# Altium PCB 8-8控制板.PcbDoc (part 1 of 5)
Units mm, origin at the board's own origin, x right, y up, seen from the top; angles counter-clockwise.
Board outline 201.71 x 160.33 mm, 2 copper layers (Top Layer, Bottom Layer); 240 components, 178 nets, 689 pads, 262 vias.
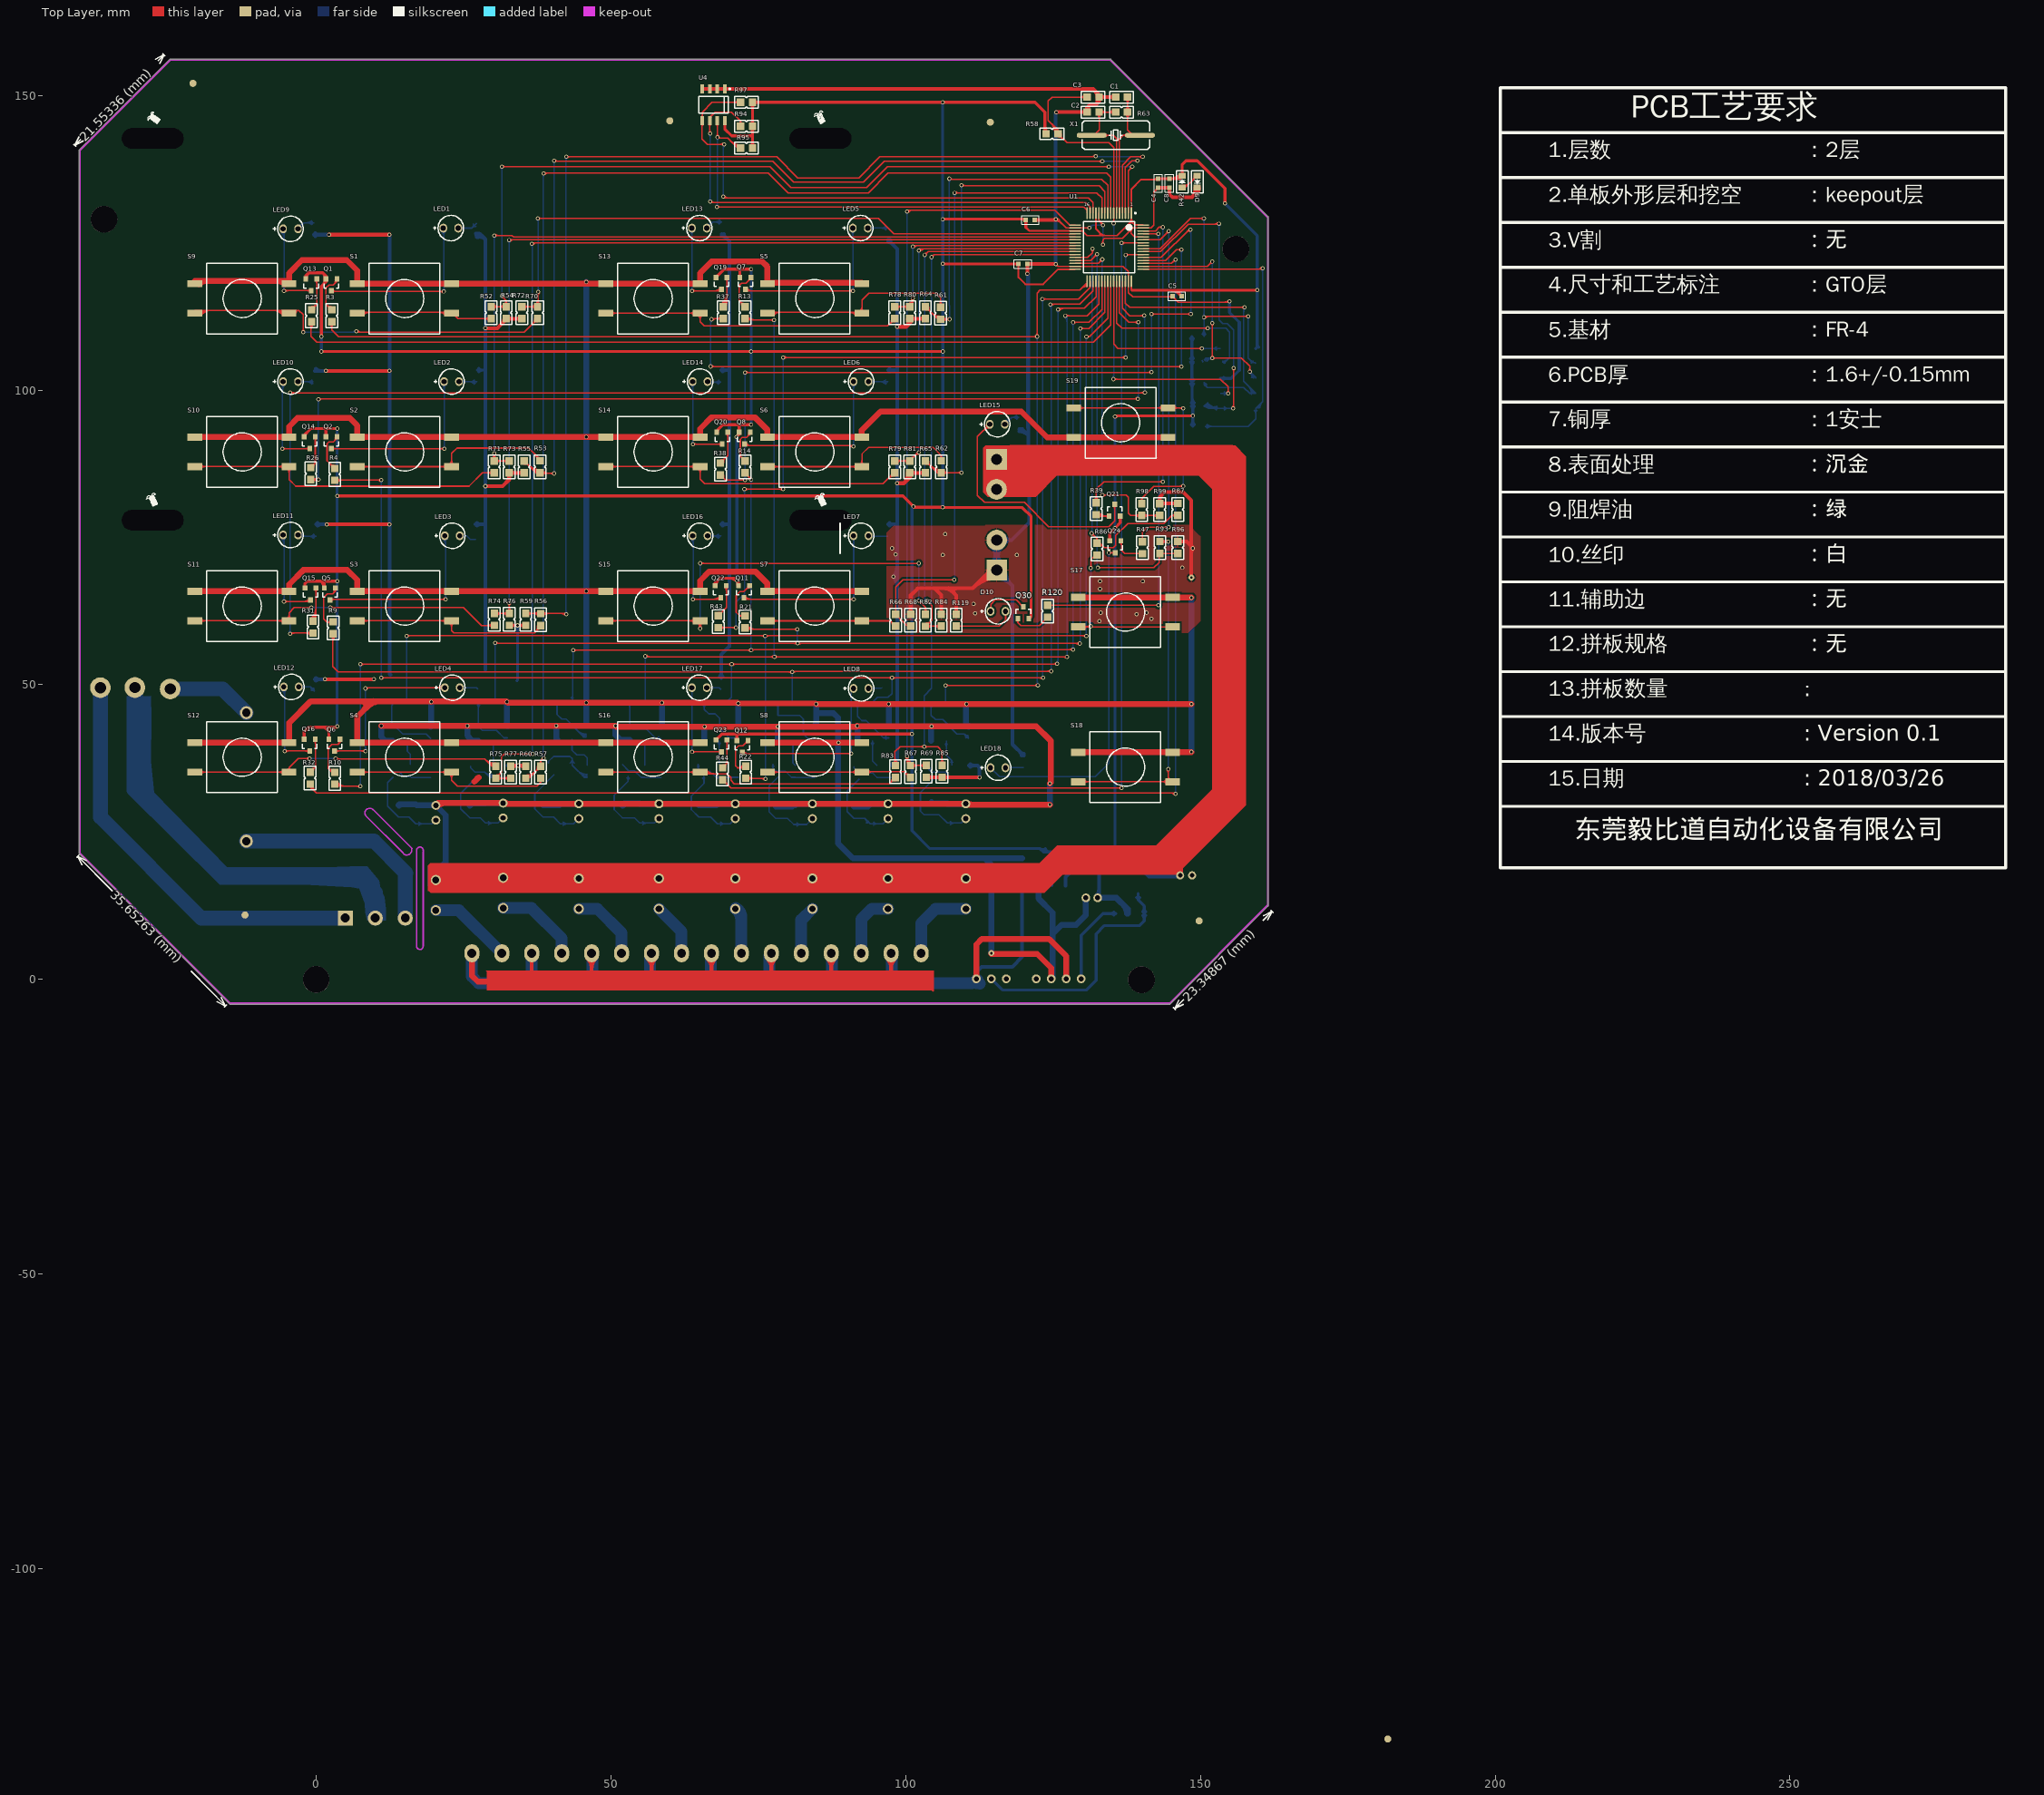
[diagram p0: Top Layer view]
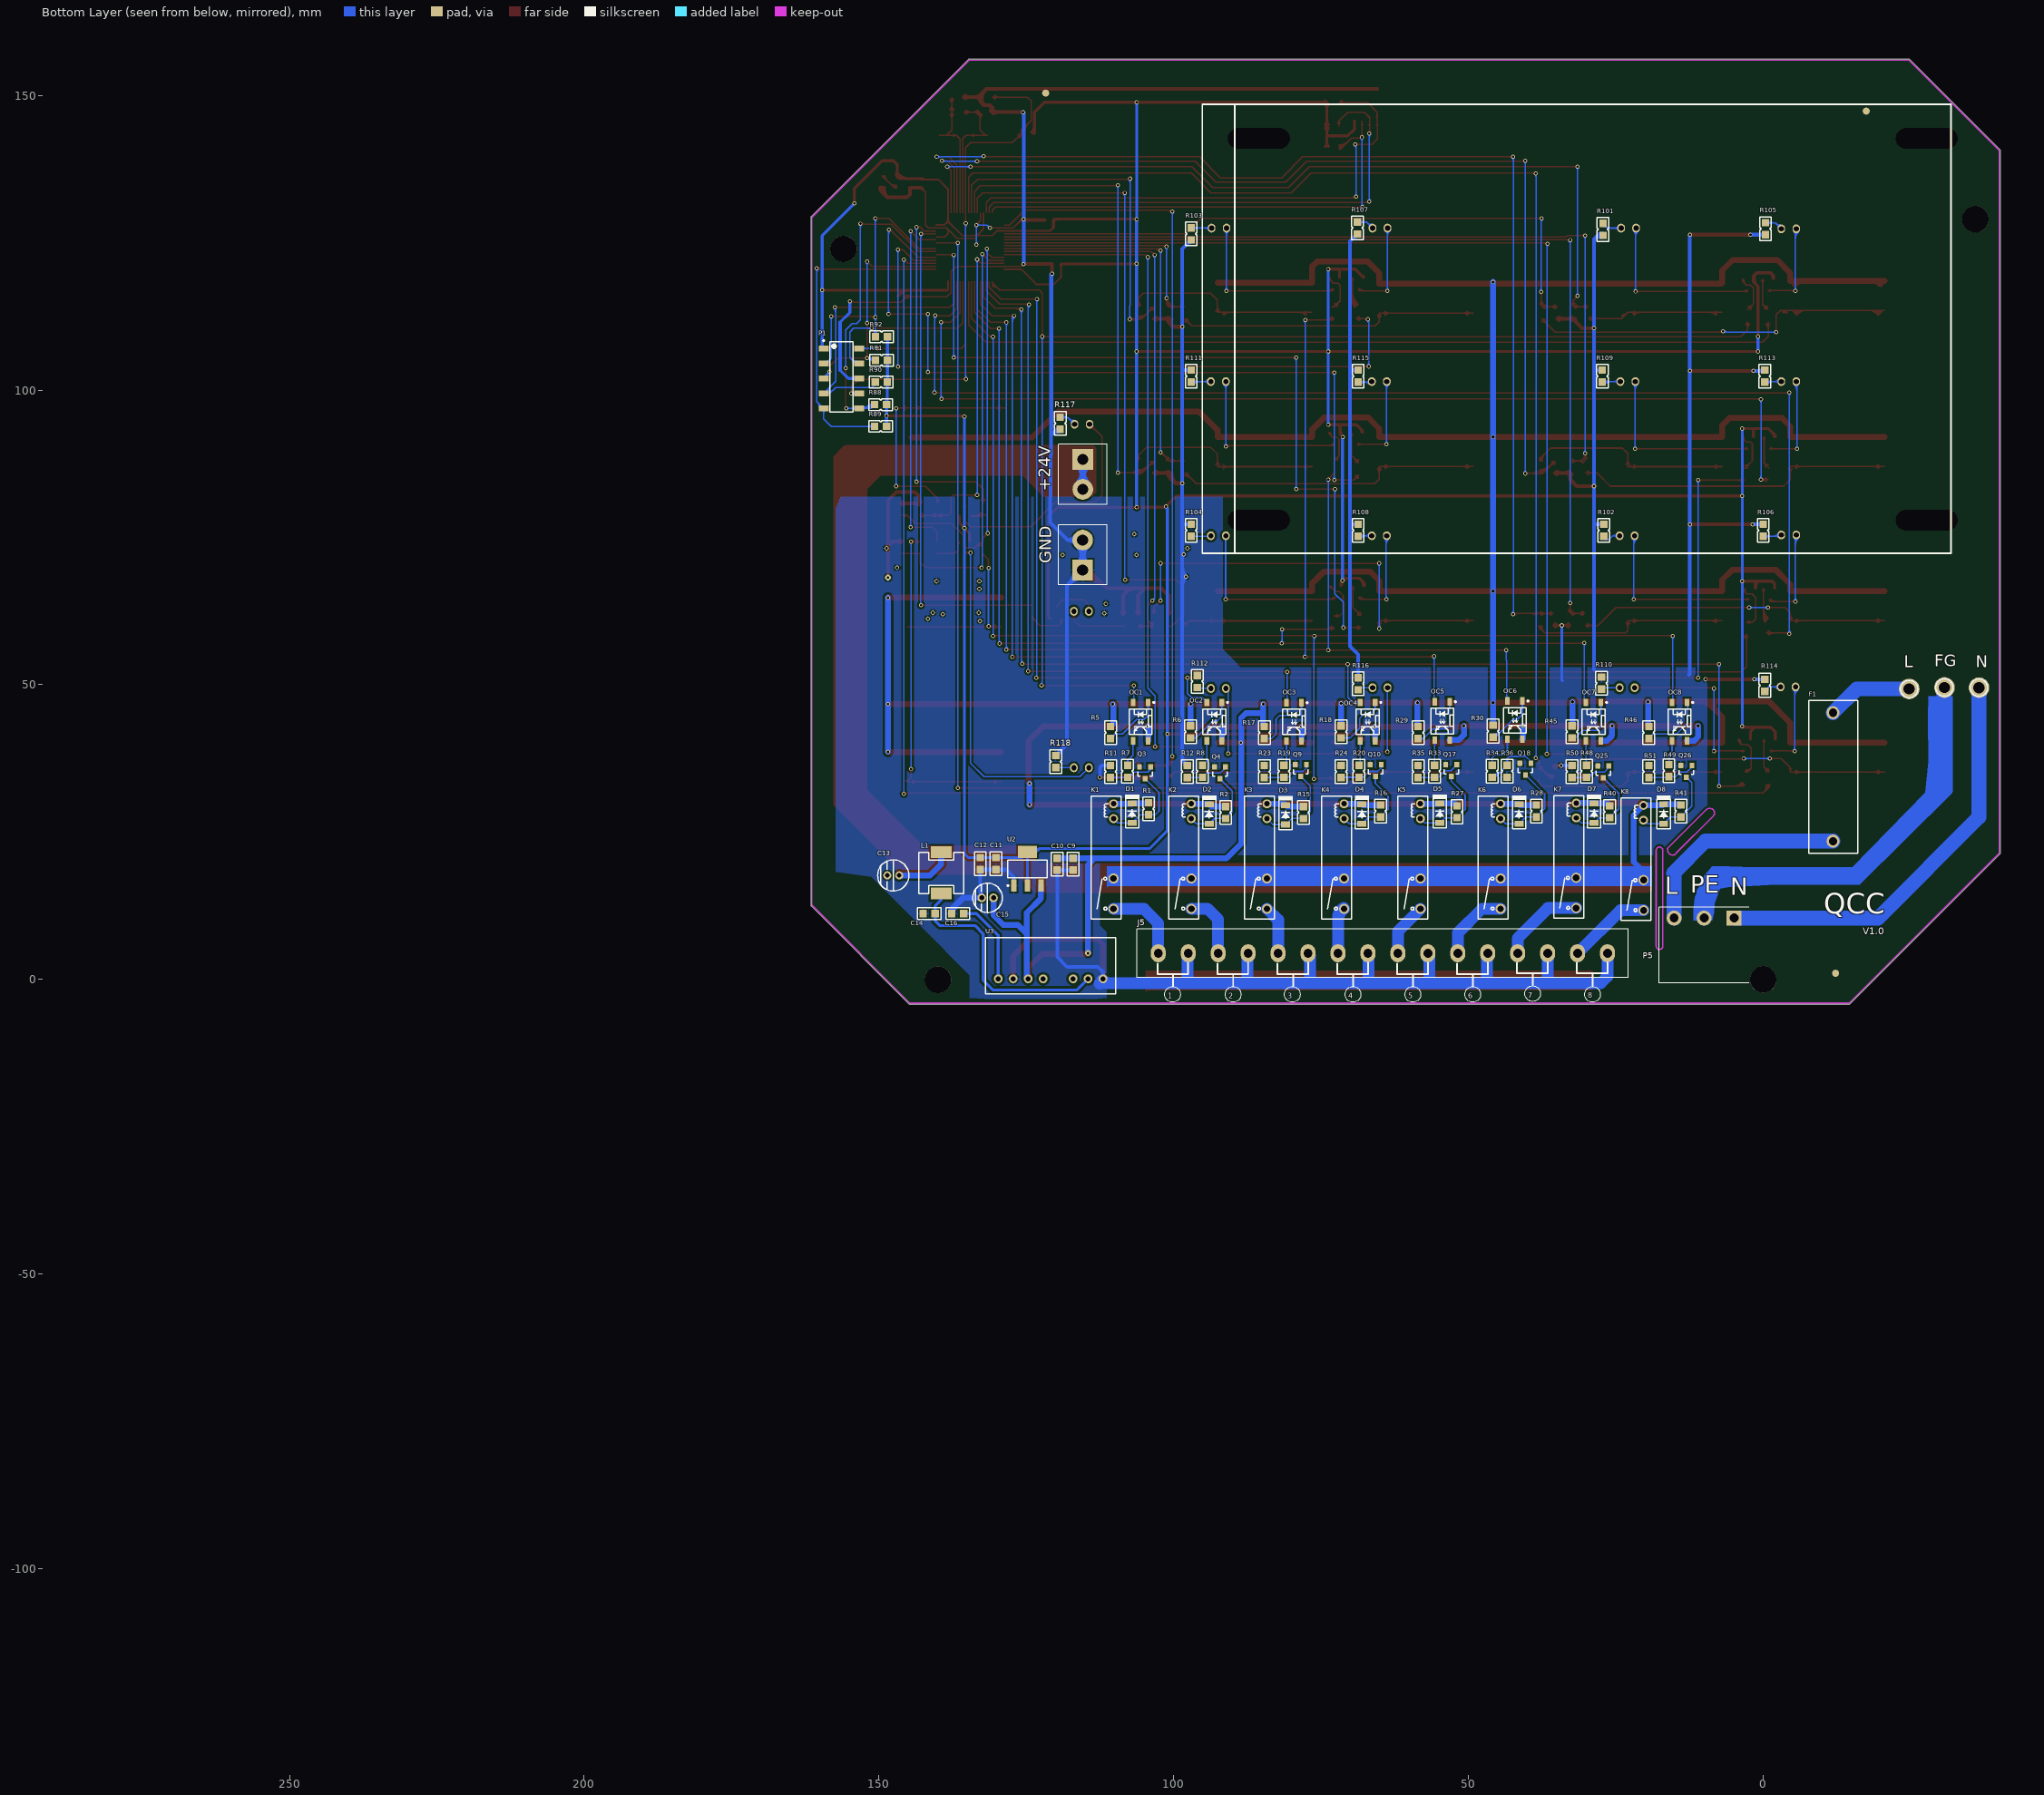
[diagram p1: Bottom Layer view, seen from below]

## Layer stack, top to bottom
Top Layer: signal copper 0.0356
Dielectric: dielectric 0.32, FR-4, Dk 4.8
Bottom Layer: signal copper 0.0356

## Board outline
-40.165,21.308 cw(c-40.057,21.416) -40.21,21.416 -40.21,140.669 cw(c-40.057,140.669) -40.165,140.778 -40.165,140.777 -24.849,156.093 cw(c-24.741,155.985) -24.657,156.113 134.636,156.113 cw(c134.72,155.985) 134.828,156.093 161.449,129.473 161.448,129.473 cw(c161.341,129.365) 161.494,129.365 161.494,12.592 cw(c161.351,12.538) 161.503,12.538 cw(c161.351,12.538) 161.459,12.43 144.887,-4.143 144.887,-4.142 cw(c144.778,-4.035) 144.778,-4.187 -14.607,-4.187 cw(c-14.607,-4.035) -14.715,-4.142 -14.715,-4.143

## Design rules (kind name [scope] priority, off if disabled: settings)
Clearance poly [InPolygon] p1: gap=0.381
Clearance ALL [All] p2: gap=0.203
Clearance u1 [InComponent('U1')] p3: gap=0.12
HoleSize [All] p1: absolutevalues=TRUE maxlimit=10.5 minlimit=0.025 maxpercent=80.000 minpercent=20.000
HoleToHoleClearance [All] p1: gap=0 allowstackedmicrovias=TRUE
MinimumSolderMaskSliver [All] p1: minsoldermaskwidth=0
PolygonConnect [All] p1: connectstyle=Relief reliefconductorwidth=0.254 reliefentries=4 polygonreliefangle="90 Angle" airgapwidth=0.254
RoutingVias [All] p1: holewidth=0.4 width=0.7 viastyle="Through Hole" minholewidth=0.4 minwidth=0.7 maxholewidth=0.4 maxwidth=8
SilkToSilkClearance [All] p1: silktosilkclearance=0
SilkToSolderMaskClearance [IsPad] p1: minsilkscreentomaskgap=0 clearancetoexposedcopper=TRUE
SolderMaskExpansion [All] p1: expansion=0.102
Width [All] p1: maxlimit=2.5 minlimit=0.2 preferedwidth=0.254
23 further rules are at their usual default settings.

## Classes and differential pairs
component class 8-8main: +24V C1 C2 C3 C4 C5 C6 C7 C8 C9 C10 C11 C12 C13 C14 C15 C16 F1 FG GND L L1 N P1 P5 R52 R53 R54 R55 R56 R57 R58 R59 R60 R61 R62 R63 R64 R65 R66 R67 R68 R69 R70 R71 R72 R73 R74 R75 R76 R77 R78 R79 R80 R81 R82 R83 R84 R85 R86 R87 R88 R89 R90 R91 R92 R93 R94 R95 R96 R97 R98 R99 S1 S2 S3 S4 S5 S6 S7 S8 S9 S10 S11 S12 S13 S14 S15 S16 S17 S18 S19 U1 U2 U3 U4 X1
component class 8-8CONRTOL: D1 D2 D3 D4 D5 D6 D7 D8 D9 D10 J5 K1 K2 K3 K4 K5 K6 K7 K8 LED1 LED2 LED3 LED4 LED5 LED6 LED7 LED8 LED9 LED10 LED11 LED12 LED13 LED14 LED15 LED16 LED17 LED18 OC1 OC2 OC3 OC4 OC5 OC6 OC7 OC8 Q1 Q2 Q3 Q4 Q5 Q6 Q7 Q8 Q9 Q10 Q11 Q12 Q13 Q14 Q15 Q16 Q17 Q18 Q19 Q20 Q21 Q22 Q23 Q24 Q25 Q26 Q30 R1 R2 R3 R4 R5 R6 R7 R8 R9 R10 R11 R12 R13 R14 R15 R16 R17 R18 R19 R20 R21 R22 R23 R24 R25 R26 R27 R28 R29 R30 R31 R32 R33 R34 R35 R36 R37 R38 R39 R40 R41 R42 R43 R44 R45 R46 R47 R48 R49 R50 R51 R101 R102 R103 R104 R105 R106 R107 R108 R109 R110 R111 R112 R113 R114 R115 R116 R117 R118 R119 R120

## Components (designator, comment, footprint, x,y, rotation, side; value= is the part's Value field where it differs from the comment)
+24V "孔" TIMECON2PIN5.1MMA 115.418,88.24 r180 bottom
C1 "Cap" "0805 C" 137.643,149.708 r180 top
C2 "Cap" "0805 C" 132.817,147.168 r180 top
C3 "Cap" "0805 C" 132.817,149.708 r180 top
C4 "Cap" "0603 C" 142.85,135.865 r270 top
C5 "Cap" "0603 C" 146.787,115.926 r180 top
C6 "Cap" "0603 C" 120.371,128.88 r0 top
C7 "Cap" "0603 C" 119.126,121.412 r0 top
C8 "Cap" "0603 C" 144.755,135.865 r270 top
C9 "" "0805 C" 117.094,20.574 r270 bottom
C10 "Cap" "0805 C" 119.761,20.574 r270 bottom
C11 "Cap" "0805 C" 130.15,20.676 r270 bottom
C12 "" "0805 C" 132.817,20.676 r270 bottom
C13 "CAP Al" "C 10uF/50V" 146.558,17.653 r0 bottom
C14 "CAP" "0805 C" 142.494,11.176 r180 bottom
C15 "CAP Al" "C 100uF/16V φ5*11mm SIP" 131.572,13.843 r0 bottom
C16 "CAP" "0805 C" 137.668,11.176 r180 bottom
D1 "1N4148" "D 1N4148(SOD-80/LL-34)" 107.061,26.543 r90 bottom
D2 "1N4148" "D 1N4148(SOD-80/LL-34)" 93.98,26.416 r90 bottom
D3 "1N4148" "D 1N4148(SOD-80/LL-34)" 81.026,26.289 r90 bottom
D4 "1N4148" "D 1N4148(SOD-80/LL-34)" 68.072,26.416 r90 bottom
D5 "1N4148" "D 1N4148(SOD-80/LL-34)" 54.864,26.543 r90 bottom
D6 "1N4148" "D 1N4148(SOD-80/LL-34)" 41.402,26.416 r90 bottom
D7 "1N4148" "D 1N4148(SOD-80/LL-34)" 28.702,26.543 r90 bottom
D8 "1N4148" "D 1N4148(SOD-80/LL-34)" 16.891,26.416 r90 bottom
D9 "GREEN" "0805 D" 149.454,136.373 r270 top
D10 "GREEN" "LED 3mm SIP" 115.672,62.459 r0 top
F1 "2.5A" 1A/250V-1 -11.836,23.47 r90 bottom
FG "" VIA -30.734,49.53 r270 bottom
GND "孔" TIMECON2PIN5.1MMA 115.443,69.469 r0 bottom
J5 "Header 1*16" TIMECON5.1MMA 102.616,4.445 r90 bottom
K1 "PA1a-24V" "Relay PA1a-24V" 110.211,29.8 r180 bottom
K2 "PA1a-24V" "Relay PA1a-24V" 97.003,29.8 r180 bottom
K3 "PA1a-24V" "Relay PA1a-24V" 84.176,29.8 r180 bottom
K4 "PA1a-24V" "Relay PA1a-24V" 71.095,29.8 r180 bottom
K5 "PA1a-24V" "Relay PA1a-24V" 58.141,29.8 r180 bottom
K6 "PA1a-24V" "Relay PA1a-24V" 44.552,29.8 r180 bottom
K7 "PA1a-24V" "Relay PA1a-24V" 31.725,29.927 r180 bottom
K8 "PA1a-24V" "Relay PA1a-24V" 20.295,29.546 r180 bottom
L "" VIA -24.765,49.276 r180 bottom
L1 "Inductor" "L 2.2uH SMD" 139.446,21.59 r0 bottom
LED1 "GREEN" "LED 3mm SIP" 22.835,127.483 r0 top
LED2 "GREEN" "LED 3mm SIP" 22.962,101.448 r0 top
LED3 "GREEN" "LED 3mm SIP" 23.089,75.286 r0 top
LED4 "GREEN" "LED 3mm SIP" 23.089,49.505 r0 top
LED5 "GREEN" "LED 3mm SIP" 92.304,127.483 r0 top
LED6 "GREEN" "LED 3mm SIP" 92.431,101.448 r0 top
LED7 "GREEN" "LED 3mm SIP" 92.431,75.286 r0 top
LED8 "GREEN" "LED 3mm SIP" 92.431,49.378 r0 top
LED9 "Red" "LED 3mm SIP" -4.343,127.356 r0 top
LED10 "Red" "LED 3mm SIP" -4.343,101.448 r0 top
LED11 "Red" "LED 3mm SIP" -4.343,75.413 r0 top
LED12 "Red" "LED 3mm SIP" -4.216,49.632 r0 top
LED13 "Red" "LED 3mm SIP" 64.999,127.483 r0 top
LED14 "Red" "LED 3mm SIP" 65.126,101.448 r0 top
LED15 "Red" "LED 3mm SIP" 115.545,94.209 r0 top
LED16 "Red" "LED 3mm SIP" 65.126,75.286 r0 top
LED17 "Red" "LED 3mm SIP" 64.999,49.505 r0 top
LED18 "GREEN" "LED 3mm SIP" 115.672,35.916 r0 top
N "" VIA -36.601,49.489 r180 bottom
OC1 "LTV-356T" "SOP-4 LTV356T" 104.343,47.005 r270 bottom
OC2 "LTV-356T" "SOP-4 LTV356T" 91.843,47.005 r270 bottom
OC3 "LTV-356T" "SOP-4 LTV356T" 78.334,46.965 r270 bottom
OC4 "LTV-356T" "SOP-4 LTV356T" 65.826,47.005 r270 bottom
OC5 "LTV-356T" "SOP-4 LTV356T" 53.188,47.115 r270 bottom
OC6 "LTV-356T" "SOP-4 LTV356T" 40.869,47.242 r270 bottom
OC7 "LTV-356T" "SOP-4 LTV356T" 27.534,47.005 r270 bottom
OC8 "LTV-356T" "SOP-4 LTV356T" 12.929,47.005 r270 bottom
P1 "Header 10" "Header 2*5 SMD" 159.385,107.061 r270 bottom
P5 "Header 3" TIMECON3PIN5.1MMA 4.953,10.414 r270 bottom
Q1 "9012" "9012  SOT-23/TO-236)" 1.651,118.872 r180 top
Q2 "9012" "9012  SOT-23/TO-236)" 1.651,92.075 r180 top
Q3 "MMBT5551" MMBT5551(SOT-23/TO-236) 105.791,36.068 r0 bottom
Q4 "MMBT5551" MMBT5551(SOT-23/TO-236) 93.091,36.068 r0 bottom
Q5 "9012" "9012  SOT-23/TO-236)" 1.397,66.421 r180 top
Q6 "9012" "9012  SOT-23/TO-236)" 2.159,40.767 r180 top
Q7 "9012" "9012  SOT-23/TO-236)" 71.882,119.126 r180 top
Q8 "9012" "9012  SOT-23/TO-236)" 71.755,92.837 r180 top
Q9 "MMBT5551" MMBT5551(SOT-23/TO-236) 79.375,36.449 r0 bottom
Q10 "MMBT5551" MMBT5551(SOT-23/TO-236) 66.675,36.449 r0 bottom
Q11 "9012" "9012  SOT-23/TO-236)" 71.628,66.802 r180 top
Q12 "9012" "9012  SOT-23/TO-236)" 71.374,40.513 r180 top
Q13 "9012" "9012  SOT-23/TO-236)" -1.778,118.872 r180 top
Q14 "9012" "9012  SOT-23/TO-236)" -2.032,92.075 r180 top
Q15 "9012" "9012  SOT-23/TO-236)" -1.905,66.421 r180 top
Q16 "9012" "9012  SOT-23/TO-236)" -2.032,40.767 r180 top
Q17 "MMBT5551" MMBT5551(SOT-23/TO-236) 53.848,36.449 r0 bottom
Q18 "MMBT5551" MMBT5551(SOT-23/TO-236) 41.275,36.703 r0 bottom
Q19 "9012" "9012  SOT-23/TO-236)" 67.818,119.126 r180 top
Q20 "9012" "9012  SOT-23/TO-236)" 67.945,92.837 r180 top
Q21 "9012" "9012  SOT-23/TO-236)" 136.398,78.613 r0 top
Q22 "9012" "9012  SOT-23/TO-236)" 67.691,66.802 r180 top
Q23 "9012" "9012  SOT-23/TO-236)" 67.818,40.64 r180 top
Q24 "9012" "9012  SOT-23/TO-236)" 134.62,74.422 r180 top
Q25 "MMBT5551" MMBT5551(SOT-23/TO-236) 28.067,36.195 r0 bottom
Q26 "MMBT5551" MMBT5551(SOT-23/TO-236) 13.97,36.322 r0 bottom
Q30 "9012" "9012  SOT-23/TO-236)" 120.904,61.214 r0 top
R1 "RES" "0805 R 1/8W" 104.267,27.94 r90 bottom
R2 "RES" "0805 R 1/8W" 91.186,27.305 r90 bottom
R3 "RES" "0805 R 1/8W" 2.642,111.608 r90 top
R4 "RES" "0805 R 1/8W" 3.15,84.684 r90 top
R5 "RES" "0805 R 1/8W" 110.719,42.901 r270 bottom
R6 "RES" "0805 R 1/8W" 97.13,43.028 r270 bottom
R7 "RES" "0805 R 1/8W" 107.823,36.322 r270 bottom
R8 "RES" "0805 R 1/8W" 95.123,36.322 r270 bottom
R9 "RES" "0805 R 1/8W" 2.896,58.649 r90 top
R10 "RES" "0805 R 1/8W" 3.15,33.122 r90 top
R11 "RES" "0805 R 1/8W" 110.719,36.297 r270 bottom
R12 "RES" "0805 R 1/8W" 97.674,36.297 r270 bottom
R13 "RES" "0805 R 1/8W" 72.746,112.116 r90 top
R14 "RES" "0805 R 1/8W" 72.746,85.954 r90 top
R15 "RES" "0805 R 1/8W" 77.978,27.305 r90 bottom
R16 "RES" "0805 R 1/8W" 64.897,27.559 r90 bottom
R17 "RES" "0805 R 1/8W" 84.629,42.901 r270 bottom
R18 "RES" "0805 R 1/8W" 71.584,43.028 r270 bottom
R19 "RES" "0805 R 1/8W" 81.28,36.322 r270 bottom
R20 "RES" "0805 R 1/8W" 68.58,36.322 r270 bottom
R21 "RES" "0805 R 1/8W" 72.746,59.665 r90 top
R22 "RES" "0805 R 1/8W" 72.873,34.138 r90 top
R23 "RES" "0805 R 1/8W" 84.629,36.297 r270 bottom
R24 "RES" "0805 R 1/8W" 71.584,36.297 r270 bottom
R25 "RES" "0805 R 1/8W" -0.787,111.608 r90 top
R26 "RES" "0805 R 1/8W" -0.914,84.811 r90 top
R27 "RES" "0805 R 1/8W" 51.943,27.432 r90 bottom
R28 "RES" "0805 R 1/8W" 38.481,27.559 r90 bottom
R29 "RES" "0805 R 1/8W" 58.54,42.901 r270 bottom
R30 "RES" "0805 R 1/8W" 45.822,43.155 r270 bottom
R31 "RES" "0805 R 1/8W" -0.533,58.776 r90 top
R32 "RES" "0805 R 1/8W" -1.016,33.147 r90 top
R33 "RES" "0805 R 1/8W" 55.753,36.322 r270 bottom
R34 "RES" "0805 R 1/8W" 45.974,36.322 r270 bottom
R35 "RES" "0805 R 1/8W" 58.54,36.297 r270 bottom
R36 "RES" "0805 R 1/8W" 43.434,34.29 r90 bottom
R37 "RES" "0805 R 1/8W" 69.063,112.116 r90 top
R38 "RES" "0805 R 1/8W" 68.58,85.598 r90 top
R39 "RES" "0805 R 1/8W" 132.334,80.899 r270 top
R40 "RES" "0805 R 1/8W" 26.035,27.432 r90 bottom
R41 "RES" "0805 R 1/8W" 13.97,27.559 r90 bottom
R42 "330 ohm" "0805 D" 146.914,134.341 r90 top
R43 "RES" "0805 R 1/8W" 68.199,59.69 r90 top
R44 "RES" "0805 R 1/8W" 68.936,33.884 r90 top
R45 "RES" "0805 R 1/8W" 32.45,43.028 r270 bottom
R46 "RES" "0805 R 1/8W" 19.406,42.901 r270 bottom
R47 "RES" "0805 R 1/8W" 140.183,74.27 r270 top
R48 "RES" "0805 R 1/8W" 29.972,36.322 r270 bottom
R49 "RES" "0805 R 1/8W" 16.002,36.449 r270 bottom
R50 "RES" "0805 R 1/8W" 32.45,36.297 r270 bottom
R51 "RES" "0805 R 1/8W" 19.406,36.297 r270 bottom
R52 "Res2" "0805 R 1/8W" 29.693,112.116 r90 top
R53 "Res2" "0805 R 1/8W" 37.973,88.011 r270 top
R54 "Res2" "0805 R 1/8W" 32.233,112.116 r90 top
R55 "Res2" "0805 R 1/8W" 35.281,85.954 r90 top
R56 "Res2" "0805 R 1/8W" 38.075,60.046 r90 top
R57 "Res2" "0805 R 1/8W" 38.075,34.138 r90 top
R58 "Res2" "0805 R 1/8W" 125.832,143.485 r180 top
R59 "Res2" "0805 R 1/8W" 35.56,60.071 r90 top
R60 "Res2" "0805 R 1/8W" 35.535,36.17 r270 top
R61 "Res2" "0805 R 1/8W" 105.918,114.046 r270 top
R62 "Res2" "0805 R 1/8W" 106.045,88.011 r270 top
R63 "Res2" "0805 R 1/8W" 137.643,147.168 r180 top
R64 "Res2" "0805 R 1/8W" 103.353,112.116 r90 top
R65 "Res2" "0805 R 1/8W" 103.353,85.954 r90 top
R66 "Res2" "0805 R 1/8W" 98.298,59.944 r90 top